# KiCad board GPDI_ULX3S_panel.kicad_pcb (continued)
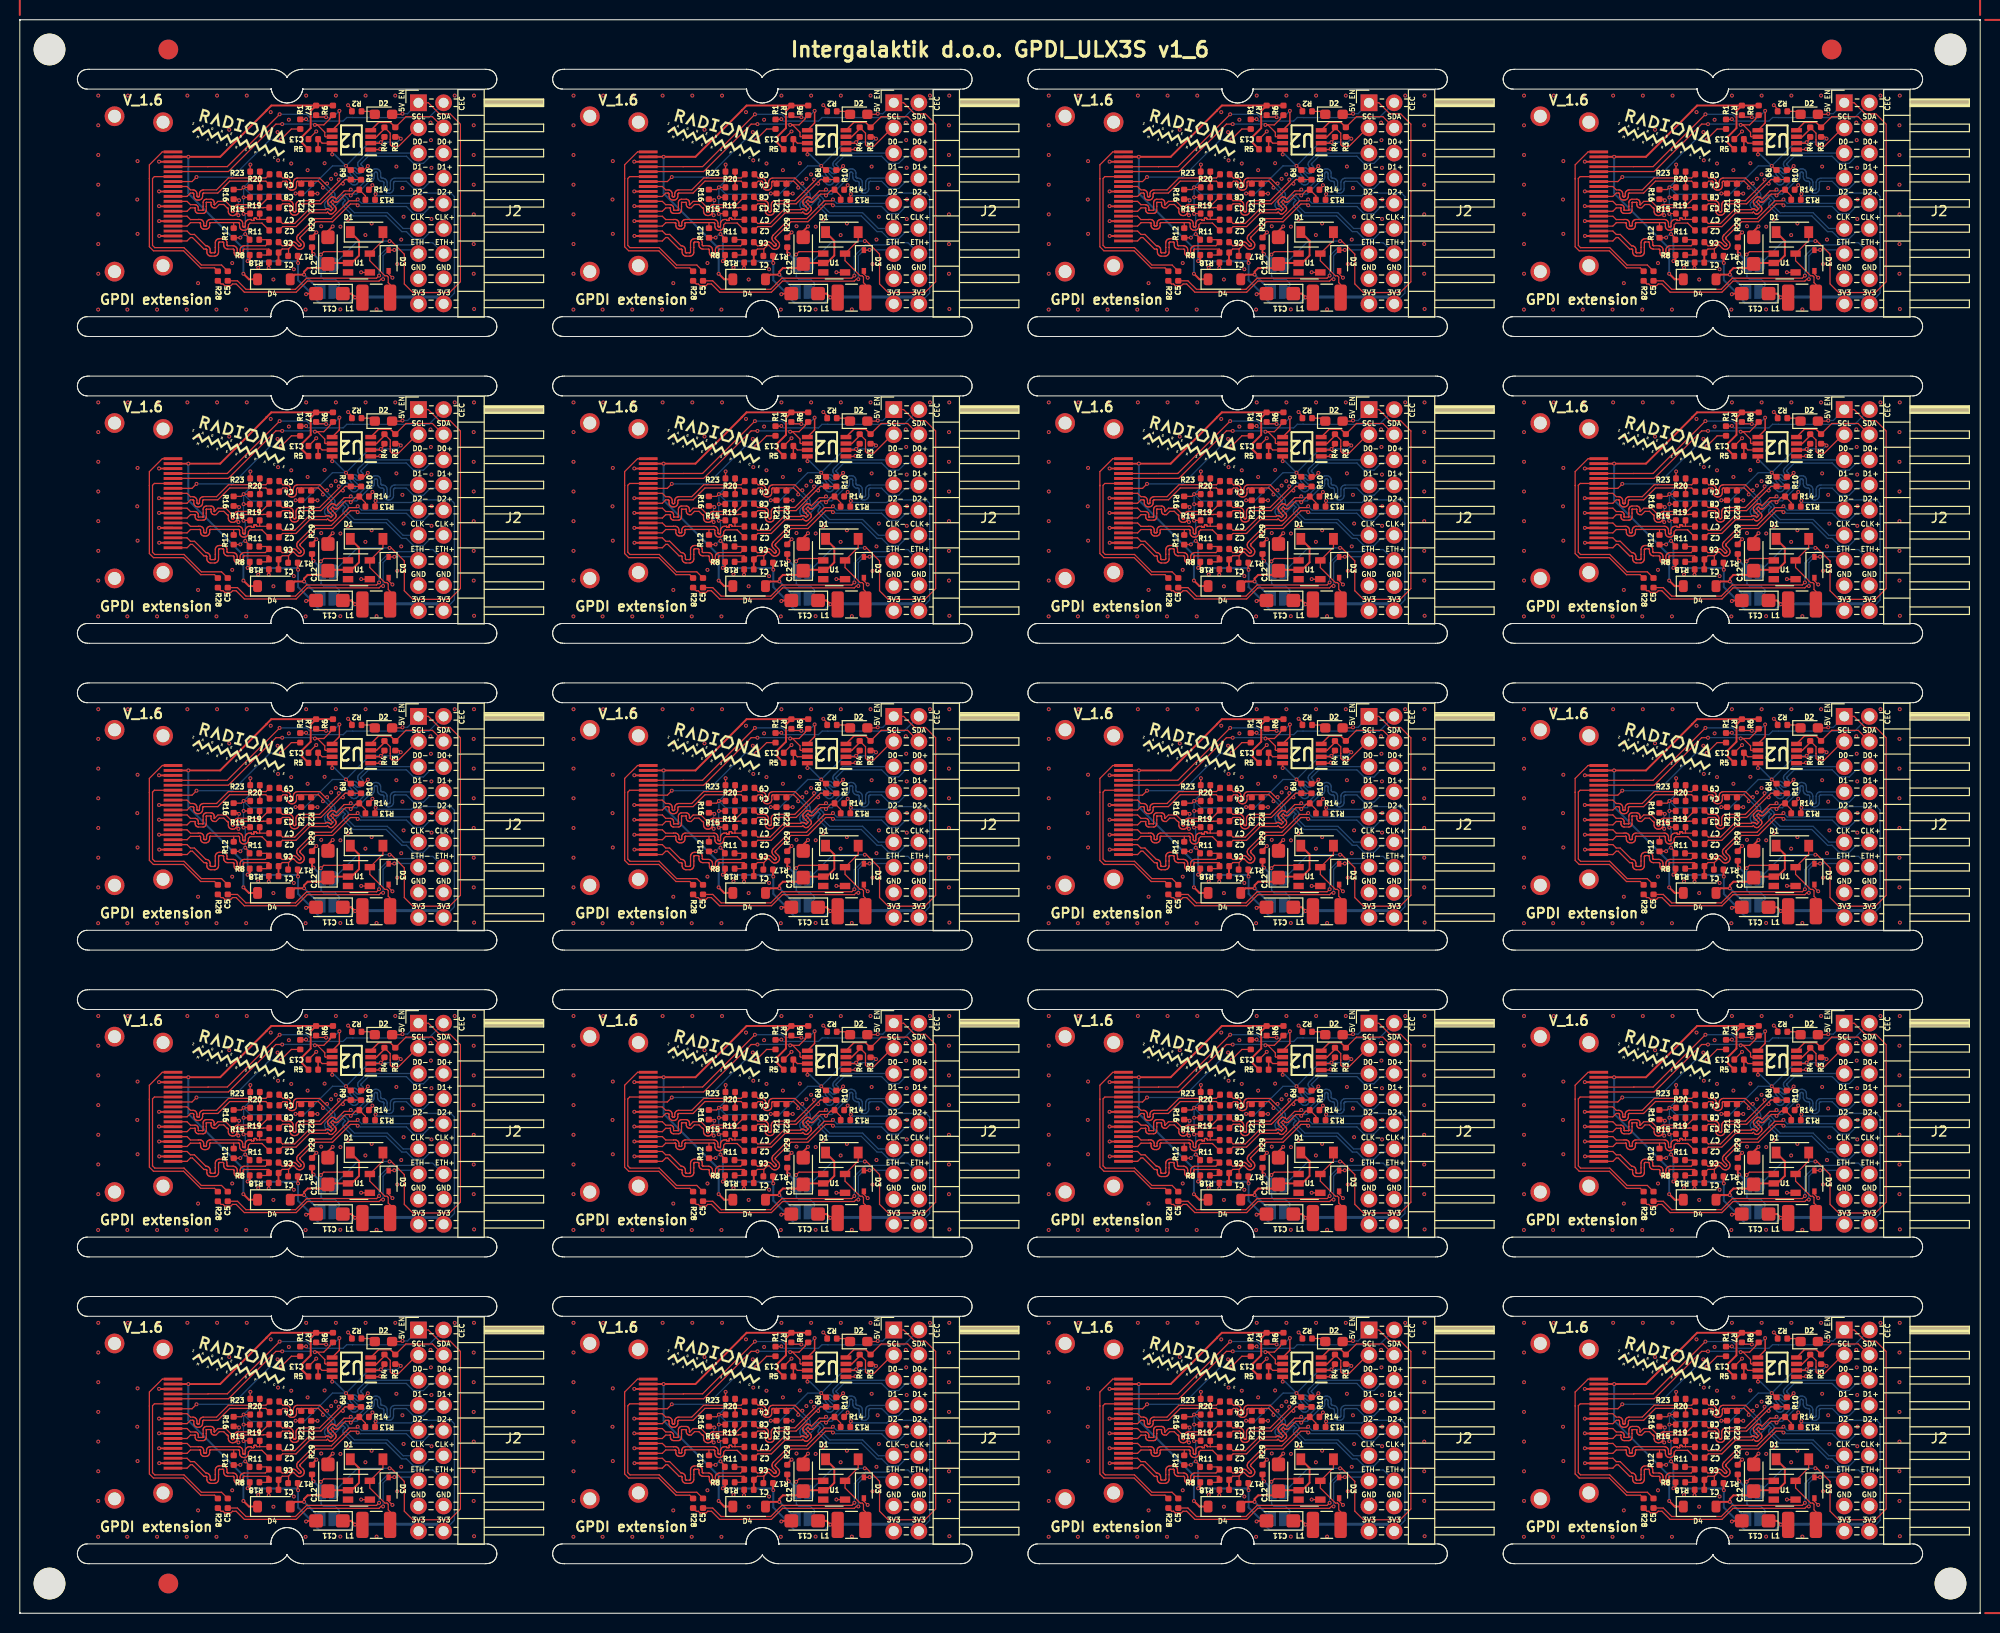
[diagram p0: board, top side]
## Routing (per net, layer and track width the routed paths; a pad name or vN(x,y) marks a point on that pad's centre or on a via; arc(x,y) is an arc through that point) (continued)
Board_10-GPDI_D0-: length 20.9
  Top w0.127: v1(128.22,82.86) 128.22,82.67 126.27,80.72 124.33,80.72 124.23,80.71 124.14,80.68 124.06,80.63 123.99,80.56 123.94,80.48 123.9,80.39 123.89,80.29 123.89,79.72 123.89,79.69 123.88,79.66 123.86,79.63 123.84,79.61 123.81,79.59 123.78,79.58 123.75,79.58 123.72,79.58 123.69,79.59 123.66,79.61 123.64,79.63 123.63,79.66 123.62,79.69 123.61,79.72 123.61,80.29 123.6,80.39 123.57,80.48 123.52,80.56 123.45,80.63 123.37,80.68 123.28,80.71 123.18,80.72 122.53,80.72 C8#3.1
  Bottom w0.127: v1(128.22,82.86) 128.41,82.86 128.64,83.09 128.72,83.15 128.8,83.19 128.9,83.22 129,83.22 129.09,83.19 129.18,83.15 129.25,83.09 129.67,82.68 129.69,82.66 129.72,82.64 129.75,82.64 129.78,82.64 129.81,82.64 129.84,82.66 129.87,82.68 129.89,82.7 129.9,82.73 129.91,82.76 129.91,82.79 129.9,82.82 129.89,82.85 129.87,82.88 129.45,83.29 129.39,83.37 129.35,83.45 129.33,83.55 129.33,83.65 129.35,83.74 129.39,83.83 129.45,83.9 129.49,83.94 129.56,83.99 129.63,84.03 129.72,84.05 129.8,84.05 129.89,84.03 129.97,83.99 130.03,83.94 130.16,83.81 130.18,83.8 130.2,83.79 130.22,83.78 130.24,83.78 130.26,83.79 130.28,83.8 130.29,83.81 130.36,83.88 130.37,83.9 130.38,83.91 130.39,83.93 130.39,83.95 130.38,83.97 130.37,83.99 130.36,84.01 130.23,84.14 130.18,84.21 130.14,84.28 130.12,84.37 130.12,84.45 130.14,84.54 130.18,84.62 130.23,84.68 131.08,85.53 J2#13.5
Board_10-GPDI_D1+: length 26.6
  Top w0.127: C2#7.1 122.54,78.1 123.9,78.1 125.29,79.49 126.99,79.49 127.08,79.58 127.21,79.46 127.26,79.42 127.32,79.39 127.39,79.37 127.46,79.37 127.52,79.39 127.58,79.42 127.63,79.46 127.86,79.68 127.9,79.74 127.93,79.8 127.95,79.86 127.95,79.93 127.93,79.99 127.9,80.06 127.86,80.11 127.62,80.35 127.63,80.36 127.41,80.58 127.61,80.78 127.73,80.66 127.79,80.61 127.85,80.59 127.91,80.57 127.98,80.57 128.04,80.59 128.1,80.61 128.16,80.66 128.89,81.39 129.29,81.39 v1(129.42,81.25) 129.91,81.74 130.19,81.74 R14#16.1 130.91,81.21 R13#15.2
  Bottom w0.127: 138.8,83 138.48,82.68 137.48,82.68 136.76,81.95 135.76,81.95 135.04,82.68 133.91,82.68 133.87,82.67 133.84,82.66 133.81,82.64 133.78,82.61 133.76,82.58 133.75,82.55 133.75,82.51 133.75,81.94 133.73,81.84 133.7,81.74 133.65,81.65 133.57,81.58 133.49,81.53 133.39,81.49 133.29,81.48 133.23,81.48 133.13,81.49 133.03,81.53 132.95,81.58 132.88,81.65 132.82,81.74 132.79,81.84 132.78,81.94 132.78,82.51 132.77,82.55 132.76,82.58 132.74,82.61 132.71,82.64 132.68,82.66 132.65,82.67 132.61,82.68 132.58,82.68 132.48,82.69 132.38,82.72 132.3,82.78 132.23,82.85 132.17,82.93 132.14,83.03 132.13,83.13 132.13,83.45 132.12,83.49 132.11,83.53 132.09,83.56 132.06,83.58 132.03,83.6 132,83.62 131.96,83.62 131.92,83.62 131.89,83.6 131.86,83.58 131.83,83.56 131.81,83.53 131.8,83.49 131.8,83.45 131.8,83.13 131.78,83.03 131.75,82.93 131.7,82.85 131.62,82.78 131.54,82.72 131.44,82.69 131.34,82.68 131.31,82.68 130.03,81.39 129.56,81.39 v1(129.42,81.25)
Board_10-GPDI_D1-: length 21
  Top w0.127: v1(129.42,81.85) 129.29,81.71 128.76,81.71 127.94,80.89 127.82,81.02 127.77,81.06 127.71,81.09 127.64,81.11 127.57,81.11 127.51,81.09 127.45,81.06 127.39,81.02 127.17,80.79 127.13,80.74 127.1,80.68 127.08,80.62 127.08,80.55 127.1,80.48 127.13,80.42 127.17,80.37 127.41,80.13 127.4,80.12 127.62,79.9 127.42,79.7 127.3,79.82 127.24,79.86 127.18,79.89 127.12,79.91 127.05,79.91 126.98,79.89 126.92,79.86 126.87,79.82 126.86,79.81 125.16,79.81 123.77,78.42 122.54,78.42 C7#18.1
  Bottom w0.127: v1(129.42,81.85) 129.56,81.71 129.89,81.71 131.18,83 131.31,83 131.35,83 131.38,83.01 131.41,83.03 131.44,83.06 131.46,83.09 131.47,83.12 131.48,83.16 131.48,83.48 131.49,83.58 131.52,83.68 131.58,83.77 131.65,83.84 131.73,83.89 131.83,83.93 131.93,83.94 131.99,83.94 132.09,83.93 132.19,83.89 132.27,83.84 132.35,83.77 132.4,83.68 132.43,83.58 132.45,83.48 132.45,83.16 132.45,83.12 132.46,83.09 132.48,83.06 132.51,83.03 132.54,83.01 132.57,83 132.61,83 132.64,83 132.74,82.98 132.84,82.95 132.92,82.9 133,82.82 133.05,82.74 133.08,82.64 133.1,82.54 133.1,81.97 133.1,81.93 133.11,81.89 133.13,81.86 133.16,81.84 133.19,81.82 133.22,81.8 133.26,81.8 133.3,81.8 133.33,81.82 133.36,81.84 133.39,81.86 133.41,81.89 133.42,81.93 133.43,81.97 133.43,82.54 133.44,82.64 133.47,82.74 133.53,82.82 133.6,82.9 133.68,82.95 133.78,82.98 133.88,83 136.26,83
Board_10-GPDI_D2+: length 22.7
  Top w0.127: 123.14,75.84 123.14,75.19 R17#4.2 ; 123.14,75.84 122.5,75.84 C1#11.1 ; 123.14,75.84 123.49,76.19 123.51,76.21 123.54,76.22 123.57,76.23 123.6,76.23 123.63,76.22 123.66,76.21 123.69,76.19 123.96,75.92 124.03,75.86 124.12,75.82 124.21,75.79 124.31,75.79 124.4,75.82 124.49,75.86 124.57,75.92 124.6,75.96 124.67,76.03 124.71,76.12 124.73,76.21 124.73,76.31 124.71,76.41 124.67,76.49 124.6,76.57 124.34,76.84 124.32,76.86 124.3,76.89 124.3,76.92 124.3,76.95 124.3,76.98 124.32,77.01 124.34,77.04 125.89,78.59 127.59,78.59 129.39,80.39 129.99,80.39 v1(130.12,80.25)
  Top w0.2: C1#11.1 122.13,75.47 R18#12.1
  Bottom w0.127: v1(130.12,80.25) 130.27,80.25 130.38,80.14 135.04,80.14 135.76,79.41 136.76,79.41 137.48,80.14 138.48,80.14 J2#13.10
Board_10-GPDI_D2-: length 17.8
  Top w0.127: C6#18.1 122.5,76.16 123.01,76.16 123.28,76.43 123.36,76.49 123.44,76.53 123.54,76.56 123.64,76.56 123.73,76.53 123.82,76.49 123.89,76.43 124.16,76.16 124.19,76.14 124.21,76.13 124.25,76.12 124.28,76.12 124.31,76.13 124.34,76.14 124.36,76.16 124.38,76.19 124.39,76.22 124.4,76.25 124.4,76.28 124.39,76.31 124.38,76.34 124.36,76.36 124.09,76.63 124.03,76.71 123.99,76.79 123.97,76.89 123.97,76.98 123.99,77.08 124.03,77.17 124.09,77.24 125.76,78.91 127.46,78.91 129.26,80.71 129.99,80.71 v1(130.12,80.85)
  Bottom w0.127: v1(130.12,80.85) 130.52,80.45 J2#13.9
Board_10-GPDI_ETH+: length 25.7
  Top w0.127: v1(132.29,73.15) 132.03,72.89 124.97,72.89 123.84,71.77 118.84,71.77 117.98,72.62 C5#7.1
  Bottom w0.127: J2#13.14 137.71,76.47 135.87,76.47 135.65,76.25 133.41,76.25 132.29,75.13 v1(132.29,73.15)
Board_10-GPDI_ETH-: length 24.8
  Top w0.127: R28#17.2 116.32,72.31 116.52,72.31 116.69,72.14 117.31,72.14 117.48,72.31 117.85,72.31 118.68,71.48 123.91,71.48 125.03,72.6 132.29,72.6 132.48,72.79 v1(132.69,72.79) ; D3#9.1 133.8,75.72 v1(133.82,75.75)
  Bottom w0.127: v1(132.69,72.79) 132.69,72.79 132.69,75.16 133.27,75.75 v1(133.82,75.75) 135.89,75.75 J2#13.13
Board_10-GPDI_SCL: length 21.1
  Top w0.127: P1#14.15 111.48,83.67 117.07,83.67 121.86,88.46 v1(122.5,88.46) ; U2#9.6 126.87,87.18 126.8,87.25 126.8,87.63 126.05,88.38 v1(125.8,88.38) 126.7,88.38 127.32,89 127.32,89.06 R6#20.2
  Bottom w0.127: v1(125.8,88.38) 125.71,88.47 122.51,88.47 v1(122.5,88.46)
Board_10-GPDI_SDA: length 22.8
  Top w0.127: v1(126.93,89.16) 126.91,89.18 126.11,89.18 R7#10.2 ; v1(122.24,89.45) 116.96,84.17 115.02,84.17 115.01,84.15 P1#14.16
  Top w0.15: U2#9.5 128.27,88.57 v1(128.27,89.8)
  Bottom w0.127: v1(122.24,89.45) 124.97,89.45 125.25,89.17 126.92,89.17 v1(126.93,89.16) 126.99,89.1 127.58,89.1 v1(128.27,89.8)
Board_10-Net-(D1-A): length 8.1
  Top w0.127: L1#10.2 133.4,72.25 133.21,72.44 133.21,73.01 133.08,73.13 132.87,73.13 131.35,74.66 U1#9.5 132.67,76.7 D1#5.2
Board_10-Net-(D1-K): length 13.2
  Top w0.2: D4#18.2 123.78,73.25 v1(124.71,73.25) 124.71,73.55 125.07,73.91 126.7,73.91 C12#19.1 127.22,74.42 U1#9.2 129.51,74.42 130.26,75.18 130.26,76.66 D1#5.1
  Bottom w0.2: v1(124.71,73.25) 126.37,71.59 JP2#13.1
Board_10-Net-(D2-K): length 1.5
  Top w0.127: R2#6.1 131.55,89.75 D2#9.1
Board_10-Net-(U2-VREF2): length 2.6
  Top w0.127: C13#11.1 126.53,86.53 U2#9.7
  Top w0.15: R5#17.2 C13#11.1
Board_10-PMOD_SCL: length 8.1
  Top w0.127: 135.88,87.69 136.26,88.08 136.11,88.08 134.25,86.21 133.59,86.21 133.41,86.38 133.41,86.88 133.41,86.88 133.41,87.55 R4#6.2
  Top w0.15: U2#9.3 132.03,87.18 132.82,87.98 R4#6.2
Board_10-PMOD_SDA: length 8.8
  Top w0.127: 138.8,88.08 137.67,89.21 135,89.21 R3#17.2
  Top w0.15: U2#9.4 132.24,88.63 133.43,88.63 R3#17.2
Board_11-5V_ENABLE: length 54.8
  Top w0.127: v1(181.34,76.64) 181.51,76.64 182.83,75.32 182.83,72.31 183.7,71.44 187.41,71.44 188.5,72.53 188.5,88.45 187.46,89.49 186.39,89.49 185.26,90.61 J2#12.1 183.8,90.15 ; D2.2 182.59,89.45 v1(182.65,89.51) ; U1#17.1 176.95,75.57 174.7,75.57 v1(174.41,75.28)
  Top w0.2: v1(173.66,75.33) 173.51,75.48 R29#7.1
  Bottom w0.127: JP2#11.2 176.26,72.13 176.26,72.39 175.86,72.79 174.68,72.79 174.44,73.03 174.43,73.03 174.43,74.25 JP1#17.2 174.42,75 174.41,75.01 v1(174.41,75.28) ; v1(181.34,76.64) 178.12,76.64 JP1#17.1 ; v1(182.65,89.51) 183.16,89.51 J2#12.1
  Bottom w0.2: JP1#17.2 174.42,74.57 v1(173.66,75.33)
  Bottom w0.5: JP1#17.2 JP1#17.1
Board_11-+3V3: length 87.4
  Top w0.127: v1(171.85,81.45) R21#12.1 ; R9#10.1 177.36,83.82 v1(176.94,84.24) ; v1(167.29,84.37) 167.27,84.35 R23#15.1 ; R13#10.1 179.88,81.33 v1(179.93,81.38) ; L1#5.1 177.88,70.93 v1(177.86,70.95) ; R20.1 v1(166.6,82.07) 166.38,81.85 R16#14.1 ; R4#18.1 180.82,86.99 v1(180.47,86.63) ; R11#5.1 167.21,76.91 v1(166.77,77.35) ; R3#15.1 182.3,87.17 v1(182.47,86.99) ; R12#15.1 166.26,76.97 v1(166.27,76.99) ; R19#4.1 v1(166.6,81.06) ; R15#20.1 166.62,79.42 v1(166.59,79.39)
  Top w0.15: U2#5.2 180.37,86.53 v1(180.47,86.63) ; U2#5.8 175.54,85.41 v1(175.55,85.4)
  Top w0.2: v1(167.01,74.62) 167.23,74.84 R8#10.1 ; v1(172.1,74.43) 172.07,74.46 R17#2.1 ; C11#18.1 177.48,71.33 v1(177.86,70.95)
  Bottom w0.127: v1(179.93,81.38) 180.08,81.23 183.56,81.23 183.83,81.5 187.54,81.5 187.89,81.14 187.89,71.38 J2#12.18 ; v1(166.6,82.07) 167.3,81.37 171.77,81.37 v1(171.85,81.45) 172.79,81.45 175.58,84.24 v1(176.94,84.24) 179.34,86.63 v1(180.47,86.63) 182.12,86.63 v1(182.47,86.99) ; v1(166.6,82.07) 167.29,82.75 v1(167.29,84.37) ; v1(166.6,82.07) v1(166.6,81.06) 166.59,81.05 v1(166.59,79.39) 166.77,79.22 v1(166.77,77.35) 166.63,77.35 v1(166.27,76.99)
  Bottom w0.15: v1(176.94,84.24) 175.78,85.4 v1(175.55,85.4)
  Bottom w0.2: v1(166.77,77.35) 167.01,77.11 v1(167.01,74.62) 167.03,74.6 171.93,74.6 v1(172.1,74.43) 172.1,72.68 173.65,71.14 173.65,71 174.24,70.41 177.32,70.41 v1(177.86,70.95)
  Bottom w0.3: J2#12.18 186.11,70.99 177.9,70.99 v1(177.86,70.95)
Board_11-+5V: length 39.3
  Top w0.2: D4#17.1 167.14,72.78 v1(166.58,73.34) ; R6#7.1 R7#5.1 ; R7#5.1 169.4,90.33 168.92,89.85 168.92,89.83 164.24,85.15 v1(161.02,85.15) P1#8.18 ; R7#5.1 173.38,89.79 173.38,88.06 172.53,87.2 172.53,86.55 R5#4.1
  Bottom w0.2: v1(166.58,73.34) 166.58,75.9 161.02,81.46 v1(161.02,85.15)
Board_11-/CEC: length 15.1
  Top w0.127: R1#17.1 171.43,87.97 v1(170.37,86.91) ; P1#8.13 161.39,82.65 v1(161.85,83.11)
  Bottom w0.127: v1(161.85,83.11) 165.47,83.11 169.28,86.91 v1(170.37,86.91)
Board_11-/CLK+: length 12.1
  Top w0.127: C4#6.2 168.85,82.7 165.2,82.7 164,81.5 162.58,81.5 162.55,81.49 162.53,81.48 162.51,81.47 162.49,81.45 162.48,81.43 162.47,81.4 162.46,81.38 162.46,81.19 162.45,81.1 162.42,81.02 162.37,80.94 162.31,80.87 162.23,80.82 162.14,80.79 162.05,80.78 161.98,80.78 161.89,80.79 161.8,80.82 161.73,80.87 161.66,80.94 161.61,81.02 161.58,81.1 161.57,81.19 161.57,81.38 161.57,81.4 161.56,81.43 161.55,81.45 161.53,81.47 161.51,81.48 161.48,81.49 161.45,81.5 161.23,81.5 160.89,81.15 P1#8.10
  Top w0.15: R20.2 168.24,82.67
Board_11-/CLK-: length 12.2
  Top w0.127: 168.26,83.02 168.24,83.03 R23#15.2 ; 168.26,83.02 165.07,83.02 163.87,81.81 162.56,81.81 162.46,81.8 162.38,81.77 162.3,81.72 162.23,81.66 162.19,81.58 162.15,81.49 162.14,81.4 162.14,81.22 162.14,81.19 162.13,81.17 162.12,81.15 162.1,81.13 162.08,81.11 162.05,81.1 162.03,81.1 162.01,81.1 161.98,81.1 161.96,81.11 161.93,81.13 161.92,81.15 161.9,81.17 161.89,81.19 161.89,81.22 161.89,81.4 161.88,81.49 161.85,81.58 161.8,81.66 161.74,81.72 161.66,81.77 161.57,81.8 161.48,81.81 161.23,81.81 160.89,82.15 P1#8.12 ; 168.26,83.02 168.85,83.02 C9#11.2
Board_11-/D0+: length 15.7
  Top w0.127: 165.86,79.38 165.91,79.46 165.94,79.55 165.95,79.64 165.95,79.88 165.95,79.91 165.96,79.93 165.98,79.96 166,79.98 166.02,79.99 166.05,80 166.08,80.01 166.15,80.01 166.18,80 166.2,79.99 166.23,79.98 166.25,79.96 166.26,79.93 166.27,79.91 166.28,79.88 166.28,79.87 166.28,79.84 166.29,79.82 166.3,79.79 166.32,79.77 166.35,79.76 166.37,79.75 166.4,79.75 166.43,79.75 166.46,79.76 166.48,79.77 166.5,79.79 166.52,79.82 166.53,79.84 166.53,79.87 166.53,79.88 166.53,79.91 166.54,79.93 166.56,79.96 166.58,79.98 166.6,79.99 166.63,80 166.66,80.01 168.57,80.01 168.59,80.03 C3#15.2 ; 165.86,79.38 165.79,79.31 165.71,79.26 165.62,79.23 165.53,79.22 165.48,79.22 165.38,79.23 165.3,79.26 165.22,79.31 165.15,79.38 165.1,79.46 165.07,79.55 165.06,79.64 165.06,79.88 165.05,79.91 165.04,79.93 165.03,79.96 165.01,79.98 164.99,79.99 164.96,80 164.93,80.01 164.6,80.34 164.14,80.34 163.8,80 163.65,80 163.58,80 163.5,80.03 163.44,80.07 163.39,80.12 163.35,80.19 163.32,80.26 163.31,80.33 163.31,80.51 163.31,80.52 163.31,80.53 163.3,80.54 163.3,80.54 163.29,80.55 163.28,80.55 163.27,80.55 162.87,80.55 162.86,80.55 162.85,80.55 162.85,80.54 162.84,80.54 162.84,80.53 162.83,80.52 162.83,80.51 162.83,80.15 162.83,79.78 162.82,79.7 162.8,79.63 162.76,79.57 162.7,79.51 162.64,79.47 162.57,79.45 162.49,79.44 162.05,79.44 161.97,79.45 161.9,79.47 161.84,79.51 161.79,79.57 161.74,79.63 161.72,79.7 161.71,79.78 161.71,79.96 161.71,79.97 161.71,79.97 161.7,79.98 161.7,79.99 161.69,79.99 161.68,79.99 161.67,80 161.23,80 160.89,79.65 P1#8.7 ; 165.86,79.38 165.95,79.38 v1(166.08,79.25) ; v1(166.15,80.76) 166.03,80.88 R16#14.2
  Bottom w0.127: v1(166.15,80.76) 166.08,80.7 v1(166.08,79.25)
Board_11-/D0-: length 14.1
  Top w0.127: P1#8.9 160.89,80.65 161.23,80.31 161.69,80.31 161.77,80.31 161.84,80.28 161.9,80.24 161.96,80.19 162,80.12 162.02,80.05 162.03,79.98 162.03,79.8 162.03,79.79 162.03,79.78 162.04,79.77 162.05,79.77 162.05,79.76 162.06,79.76 162.07,79.76 162.47,79.76 162.48,79.76 162.49,79.76 162.5,79.77 162.5,79.77 162.51,79.78 162.51,79.79 162.51,79.8 162.51,80.15 162.51,80.15 162.51,80.53 162.52,80.61 162.55,80.68 162.59,80.74 162.64,80.8 162.7,80.84 162.78,80.86 162.85,80.87 163.29,80.87 163.37,80.86 163.44,80.84 163.5,80.8 163.56,80.74 163.6,80.68 163.62,80.61 163.63,80.53 163.63,80.35 163.63,80.34 163.64,80.34 163.64,80.33 163.65,80.32 163.65,80.32 163.66,80.32 163.67,80.31 164.01,80.65 164.8,80.65 165.28,80.17 165.33,80.09 165.37,80 165.38,79.91 165.38,79.67 165.38,79.64 165.39,79.61 165.4,79.59 165.42,79.57 165.45,79.55 165.47,79.54 165.5,79.54 165.53,79.54 165.56,79.55 165.58,79.57 165.6,79.59 165.62,79.61 165.63,79.64 165.63,79.67 165.63,79.91 165.64,80 165.67,80.09 165.72,80.17 165.79,80.23 165.87,80.28 165.96,80.31 166.05,80.33 168.39,80.33 C8#14.2 169.13,81.06
  Top w0.15: 168.2,80.33 168.22,80.34 R19#4.2
Board_11-/D1+: length 12.6
  Top w0.127: R12#15.2 165.6,78.49 ; P1#8.4 160.89,78.15 161.23,78.5 162.15,78.5 162.16,78.51 162.18,78.5 162.2,78.5 162.22,78.49 162.23,78.47 162.25,78.45 162.25,78.43 162.26,78.41 162.26,78.23 162.27,78.14 162.29,78.06 162.34,77.99 162.4,77.93 162.48,77.88 162.56,77.85 162.64,77.84 162.79,77.84 162.87,77.85 162.95,77.88 163.03,77.93 163.09,77.99 163.14,78.06 163.16,78.14 163.17,78.23 163.17,78.41 163.18,78.43 163.18,78.45 163.19,78.47 163.21,78.49 163.23,78.5 163.25,78.5 163.27,78.51 166.07,78.51 166.1,78.5 166.13,78.49 166.15,78.48 166.17,78.46 166.18,78.43 166.19,78.41 166.2,78.38 166.2,78.15 166.21,78.05 166.24,77.97 166.29,77.89 166.36,77.82 166.44,77.77 166.52,77.74 166.62,77.73 166.67,77.73 166.76,77.74 166.85,77.77 166.93,77.82 167,77.89 167.05,77.97 167.08,78.05 167.09,78.15 167.09,78.29 167.26,78.46 168.45,78.46 C2#14.2
Board_11-/D1-: length 12.8
  Top w0.127: R15#20.2 168.23,78.83 ; 168.23,78.83 169.16,78.83 C7#13.2 ; 168.23,78.83 167.97,78.83 167.95,78.83 167.94,78.83 167.92,78.84 167.91,78.85 167.9,78.87 167.9,78.88 167.9,78.91 167.89,78.93 167.88,78.94 167.87,78.96 167.86,78.96 167.84,78.97 167.82,78.97 167.72,78.97 167.7,78.97 167.68,78.96 167.67,78.96 167.66,78.94 167.65,78.93 167.65,78.91 167.64,78.9 167.64,78.78 167.64,78.76 167.64,78.75 167.63,78.74 167.62,78.74 167.61,78.73 167.6,78.73 167.59,78.73 167.44,78.73 167.43,78.73 167.42,78.73 167.41,78.74 167.4,78.74 167.39,78.75 167.39,78.76 167.39,78.79 167.38,78.8 167.38,78.81 167.37,78.81 167.36,78.82 167.35,78.82 167.34,78.83 167.19,78.83 167.1,78.81 167.01,78.78 166.93,78.73 166.86,78.67 166.81,78.59 166.78,78.5 166.77,78.41 166.77,78.17 166.77,78.15 166.76,78.12 166.74,78.09 166.72,78.07 166.7,78.06 166.67,78.05 166.64,78.05 166.61,78.05 166.59,78.06 166.56,78.07 166.54,78.09 166.53,78.12 166.52,78.15 166.52,78.17 166.52,78.41 166.51,78.5 166.47,78.59 166.42,78.67 166.36,78.73 166.28,78.78 166.19,78.81 166.1,78.83 163.24,78.83 163.16,78.82 163.08,78.79 163,78.74 162.94,78.68 162.89,78.61 162.87,78.52 162.86,78.44 162.86,78.25 162.85,78.23 162.85,78.21 162.83,78.2 162.82,78.18 162.8,78.17 162.78,78.16 162.76,78.16 162.67,78.16 162.65,78.16 162.63,78.17 162.61,78.18 162.59,78.2 162.58,78.21 162.58,78.23 162.57,78.25 162.57,78.44 162.56,78.52 162.54,78.61 162.49,78.68 162.43,78.74 162.35,78.79 162.27,78.82 162.19,78.83 162.03,78.83 162.02,78.81 161.23,78.81 160.89,79.15 P1#8.6
Board_11-/D2+: length 15
  Top w0.127: P1#8.1 160.89,76.65 161.23,77 161.43,77 162.6,75.83 162.78,75.83 162.81,75.83 162.83,75.82 162.85,75.81 162.87,75.79 162.88,75.77 162.89,75.75 162.89,75.73 162.89,75.53 162.9,75.44 162.93,75.35 162.98,75.27 163.05,75.21 163.13,75.16 163.21,75.13 163.31,75.12 163.66,75.12 163.75,75.13 163.84,75.16 163.92,75.21 163.98,75.27 164.03,75.35 164.06,75.44 164.07,75.53 164.07,76 164.07,76.44 164.08,76.47 164.08,76.49 164.1,76.51 164.11,76.53 164.14,76.54 164.16,76.55 164.18,76.55 164.48,76.55 164.51,76.55 164.53,76.54 164.55,76.53 164.57,76.51 164.58,76.49 164.59,76.47 164.59,76.44 164.59,76.25 164.6,76.16 164.63,76.07 164.68,75.99 164.75,75.92 164.83,75.88 164.91,75.84 165.01,75.83 165.56,75.83 165.59,75.82 165.61,75.79 165.63,75.77 165.64,75.74 165.64,75.71 165.64,75.5 165.66,75.4 165.69,75.31 165.74,75.23 165.81,75.16 165.89,75.1 165.98,75.07 166.08,75.06 166.13,75.06 166.23,75.07 166.32,75.1 166.4,75.16 166.47,75.23 166.52,75.31 166.56,75.4 166.57,75.5 166.57,75.71 166.57,75.74 166.58,75.77 166.6,75.79 166.62,75.82 166.65,75.83 169.14,75.83 169.17,75.8 C1#15.2 168.92,75.23 R8#10.2
Board_11-/D2-: length 14.8
  Top w0.127: P1#8.3 160.89,77.65 161.23,77.31 161.63,77.31 162.78,76.17 162.81,76.17 162.9,76.16 162.99,76.13 163.07,76.08 163.13,76.01 163.18,75.93 163.21,75.84 163.22,75.75 163.22,75.56 163.23,75.54 163.23,75.51 163.25,75.49 163.26,75.48 163.28,75.46 163.31,75.45 163.33,75.45 163.63,75.45 163.66,75.45 163.68,75.46 163.7,75.48 163.72,75.49 163.73,75.51 163.74,75.54 163.74,75.56 163.74,76 163.74,76.47 163.75,76.56 163.78,76.65 163.83,76.73 163.9,76.79 163.98,76.84 164.06,76.87 164.16,76.88 164.51,76.88 164.6,76.87 164.69,76.84 164.77,76.79 164.83,76.73 164.88,76.65 164.91,76.56 164.92,76.47 164.92,76.27 164.93,76.25 164.93,76.23 164.95,76.21 164.96,76.19 164.99,76.18 165.01,76.17 165.03,76.17 165.53,76.17 165.63,76.16 165.72,76.12 165.8,76.07 165.87,76 165.92,75.92 165.95,75.83 165.96,75.73 165.96,75.52 165.97,75.49 165.98,75.46 165.99,75.43 166.02,75.41 166.04,75.39 166.07,75.38 166.11,75.38 166.14,75.38 166.17,75.39 166.19,75.41 166.22,75.43 166.23,75.46 166.24,75.49 166.25,75.52 166.25,75.73 166.26,75.83 166.29,75.92 166.34,76 166.41,76.07 166.49,76.12 166.59,76.16 166.68,76.17 168.8,76.17 C6#20.2 168.91,76.78 R11#5.2
Board_11-/ETH+: length 17.6
  Top w0.127: P1#8.14 157.59,83.15 157.4,82.97 157.4,76.2 157.63,75.98 160.58,75.98 162.34,74.22 164.38,74.22 C5#5.2
Board_11-/ETH-: length 19.2
  Top w0.127: 157.09,82.93 157.09,84.35 158.39,85.65 P1#8.19 ; 157.09,82.93 157.09,76.07 157.5,75.66 160.54,75.66 162.27,73.93 163.67,73.93 R28#19.1 ; 157.09,82.93 157.09,82.97
Board_11-GND: length 17.5
  Top w0.127: R22#18.2 174.06,81.44 v1(174.07,81.44) ; D3#7.2 181.25,73.33 v1(181.63,72.94) ; v1(173.94,87.72) 173.94,87.72 C13#14.2 ; v1(177.15,90.37) 177.54,89.98 R2#9.2 ; v1(179.61,82.29) 179.61,82.19 R14#18.2 ; U1#17.4 178.49,73.47 v1(178.47,73.49) ; R10#15.2 178.75,83.82 v1(179.15,84.22)
  Top w0.15: U2#5.1 180.35,85.88 v1(180.4,85.94)
  Top w0.2: v1(173.95,77.52) 173.51,77.08 R29#7.2 ; v1(158.06,80.18) 158.08,80.15 P1#8.8 ; v1(169.14,73.93) 169.16,73.94 R18#15.2 ; v1(175.6,78.12) 175.12,77.64 C12#11.2 ; P1#8.5 158.07,78.65 v1(158.07,78.66) ; v1(158.08,77.16) 158.08,77.15 P1#8.2 ; v1(158.06,84.67) 158.07,84.65 P1#8.17 ; v1(158.06,81.66) 158.07,81.65 P1#8.11 ; v1(172.91,71.27) 172.97,71.33 C11#18.2
  In1.Cu w0.5: 184.38,72.72 184.26,72.84
  vias: v1(151.92,91.34) v1(151.92,88.34) v1(151.92,85.34) v1(151.92,82.34) v1(151.92,79.34) v1(151.92,76.34) v1(151.92,73.34) v1(151.91,69.72) v1(154.92,91.34) v1(154.86,69.72) v1(155.89,84.72) v1(155.86,80.84) v1(155.89,77.37) v1(157.92,91.34) v1(157.86,69.72) v1(160.92,91.34) v1(160.86,69.72) v1(162.02,87.97) v1(162,72.39) v1(163.92,91.34) v1(163.86,69.72) v1(165.15,87.89) v1(165.45,74.42) v1(166.92,91.34) v1(166.86,69.72) v1(168.08,73.94) v1(169.34,89.67) v1(169.61,72.76) v1(170.03,87.65) v1(170.08,84.8) v1(171.17,88.9) v1(171.41,84.48) v1(171.68,73.79) v1(172.92,91.34) v1(172.86,69.72) v1(173.07,83.81) v1(174.44,78.14) v1(174.78,84.51) v1(175.44,82.93) v1(175.92,91.34) v1(175.91,83.38) v1(176.38,78.1) v1(176.37,69.74) v1(177.14,78.81) v1(178.92,91.34) v1(178.9,77.25) v1(179.53,78.42) v1(180.03,69.74) v1(181.92,91.34) v1(182.03,84.17) v1(182.12,74.32) v1(182.52,76.79) v1(182.64,82) v1(182.76,79.1) v1(185.48,88.61) v1(185.52,86.84) v1(185.57,84.05) v1(185.6,80.85) v1(185.58,78.87) v1(187.92,91.34) v1(189.84,88.34) v1(189.84,85.34) v1(189.84,82.34) v1(189.84,79.34) v1(189.84,76.34) v1(189.84,73.34) v1(189.87,91.34) v1(189.88,69.78)
Board_11-GPDI_CEC: length 15.3
  Top w0.127: v1(172.91,88.96) 172.89,88.94 R1#17.2
  Bottom w0.127: J2#12.2 185.31,89.12 177.61,89.12 177.6,89.13 177.02,89.13 176.66,88.77 173.1,88.77 v1(172.91,88.96)
Board_11-GPDI_CLK+: length 24.8
  Top w0.127: 173.43,82.69 174.16,82.69 174.62,82.23 v1(174.62,82.04) ; 173.43,82.69 172.44,82.69 ; 173.42,82.69 R22#18.1 ; 172.44,82.69 172.09,82.69 172.06,82.69 172.03,82.68 172,82.66 171.98,82.64 171.96,82.61 171.95,82.58 171.95,82.55 171.95,82.22 171.94,82.12 171.9,82.03 171.85,81.95 171.78,81.88 171.7,81.83 171.61,81.8 171.51,81.79 171.46,81.79 171.36,81.8 171.27,81.83 171.19,81.88 171.12,81.95 171.07,82.03 171.04,82.12 171.03,82.22 171.03,82.55 171.02,82.58 171.01,82.61 171,82.64 170.97,82.66 170.95,82.68 170.92,82.69 170.89,82.69 170.57,82.69 C4#6.1 ; 172.44,82.69 172.42,82.67 R21#12.2
  Bottom w0.127: v1(174.62,82.04) 174.81,82.04 175.46,81.39 175.48,81.36 175.49,81.33 175.5,81.29 175.5,81.26 175.49,81.22 175.48,81.19 175.46,81.16 174.91,80.61 174.85,80.53 174.8,80.44 174.78,80.34 174.78,80.24 174.8,80.14 174.85,80.05 174.91,79.97 174.95,79.93 175.03,79.86 175.12,79.82 175.22,79.8 175.32,79.8 175.42,79.82 175.51,79.86 175.59,79.93 176.62,80.95 176.63,80.96 176.63,80.96 176.64,80.96 176.65,80.96 176.65,80.96 176.66,80.96 176.67,80.95 176.85,80.77 176.86,80.76 176.86,80.75 176.86,80.75 176.86,80.74 176.86,80.73 176.86,80.72 176.85,80.72 176.73,80.59 176.68,80.53 176.65,80.47 176.63,80.39 176.63,80.32 176.65,80.25 176.68,80.18 176.73,80.12 177.66,79.19 180.99,79.19 182.58,77.6 183.04,77.6 183.76,76.87 184.76,76.87 185.48,77.6 186.48,77.6 186.8,77.92
Board_11-GPDI_CLK-: length 21
  Top w0.127: v1(175.03,82.46) 174.84,82.46 174.29,83.01 172.06,83.01 171.96,83 171.87,82.97 171.79,82.92 171.72,82.85 171.67,82.77 171.64,82.68 171.63,82.58 171.63,82.25 171.62,82.21 171.61,82.18 171.6,82.16 171.57,82.14 171.55,82.12 171.52,82.11 171.49,82.1 171.46,82.11 171.43,82.12 171.4,82.14 171.38,82.16 171.36,82.18 171.35,82.21 171.35,82.25 171.35,82.58 171.34,82.68 171.3,82.77 171.25,82.85 171.18,82.92 171.1,82.97 171.01,83 170.91,83.01 170.57,83.01 C9#11.1
  Bottom w0.127: v1(175.03,82.46) 175.03,82.27 175.7,81.6 175.76,81.52 175.81,81.43 175.83,81.33 175.83,81.23 175.81,81.13 175.76,81.03 175.7,80.95 175.15,80.41 175.13,80.38 175.12,80.34 175.11,80.31 175.11,80.27 175.12,80.24 175.13,80.2 175.15,80.17 175.18,80.15 175.22,80.13 175.25,80.13 175.29,80.13 175.33,80.13 175.36,80.15 175.39,80.17 176.41,81.19 176.47,81.24 176.53,81.27 176.61,81.29 176.68,81.29 176.75,81.27 176.82,81.24 176.88,81.19 177.09,80.98 177.14,80.92 177.17,80.85 177.19,80.78 177.19,80.71 177.17,80.63 177.14,80.57 177.09,80.51 176.97,80.38 176.96,80.37 176.96,80.37 176.96,80.36 176.96,80.35 176.96,80.35 176.96,80.34 176.97,80.33 177.79,79.51 181.12,79.51 182.71,77.92 184.26,77.92
